# Altium PCB Daughterboard_Rev1_A.PcbDoc (part 1 of 3)
Units mil, origin at the board's own origin, x right, y up, seen from the top; angles counter-clockwise.
Board outline 2125 x 3350 mil, 8 copper layers (Top Layer, GND 1, Signal 1, GND 2, Signal 2, PWR, GND 3, Bottom Layer), stack 59.978 mil thick; 472 components, 211 nets, 1640 pads, 778 vias.
Unrouted connection lines stored in the file: 738.
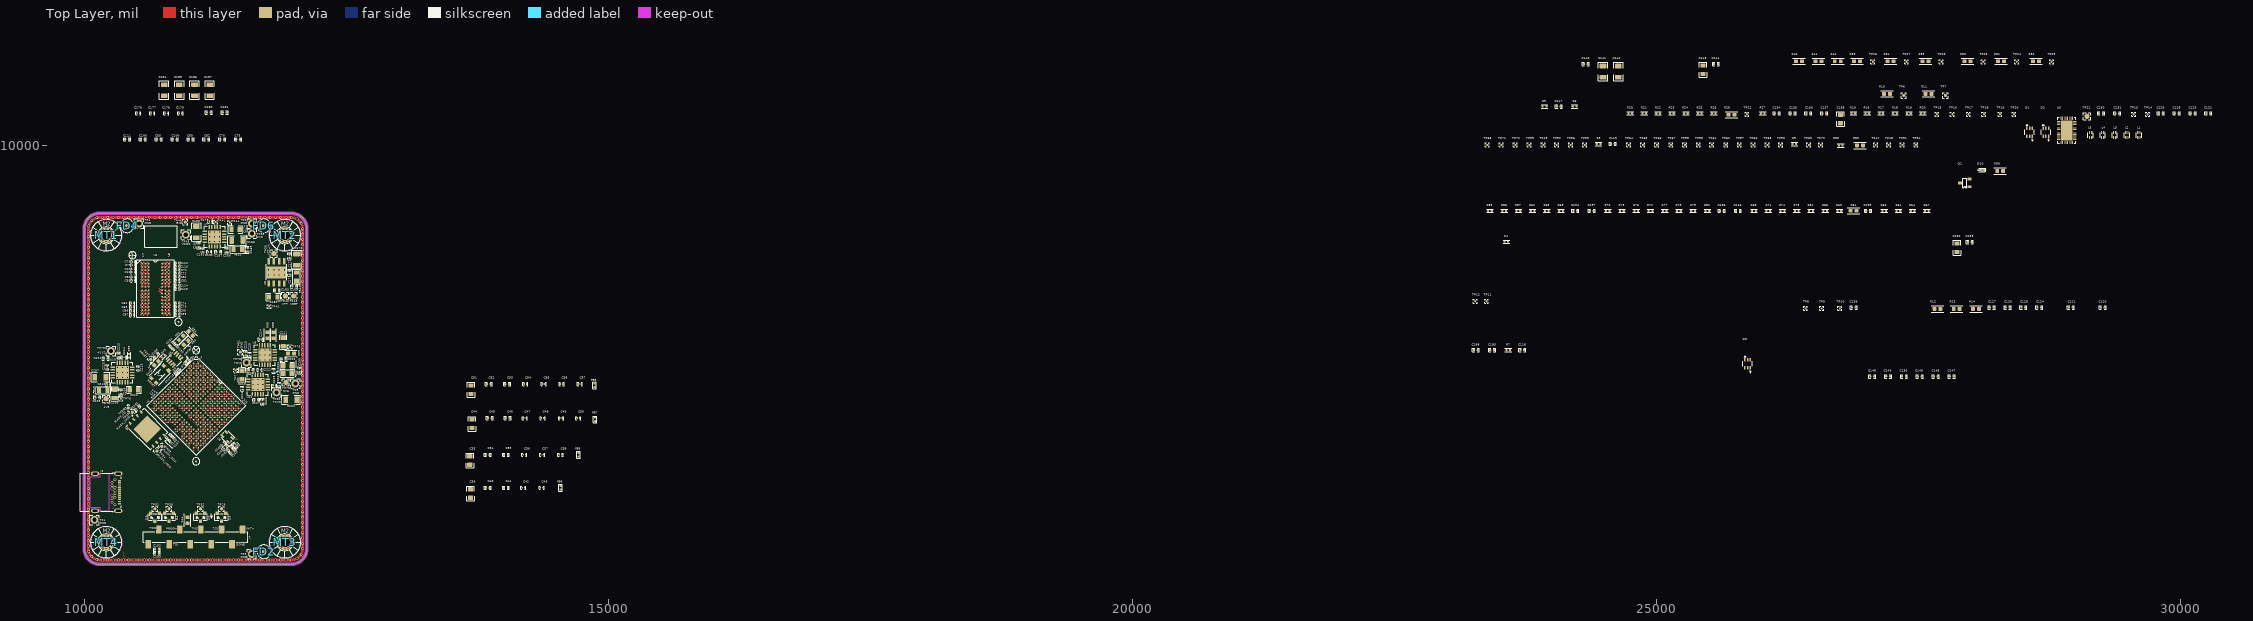
[diagram p0: Top Layer view]
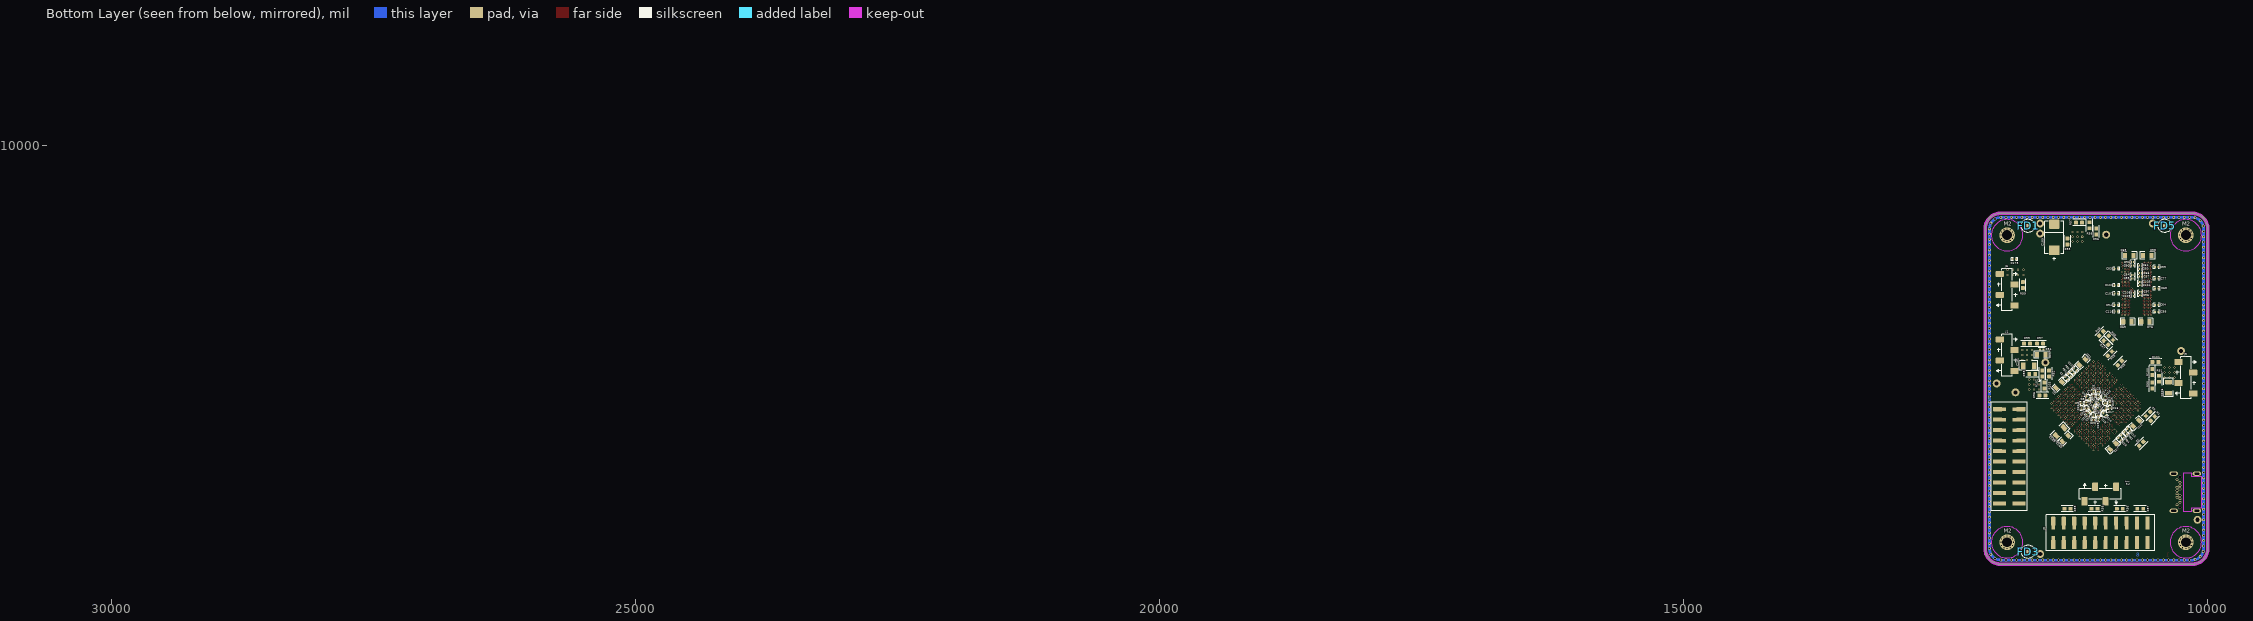
[diagram p1: Bottom Layer view, seen from below]
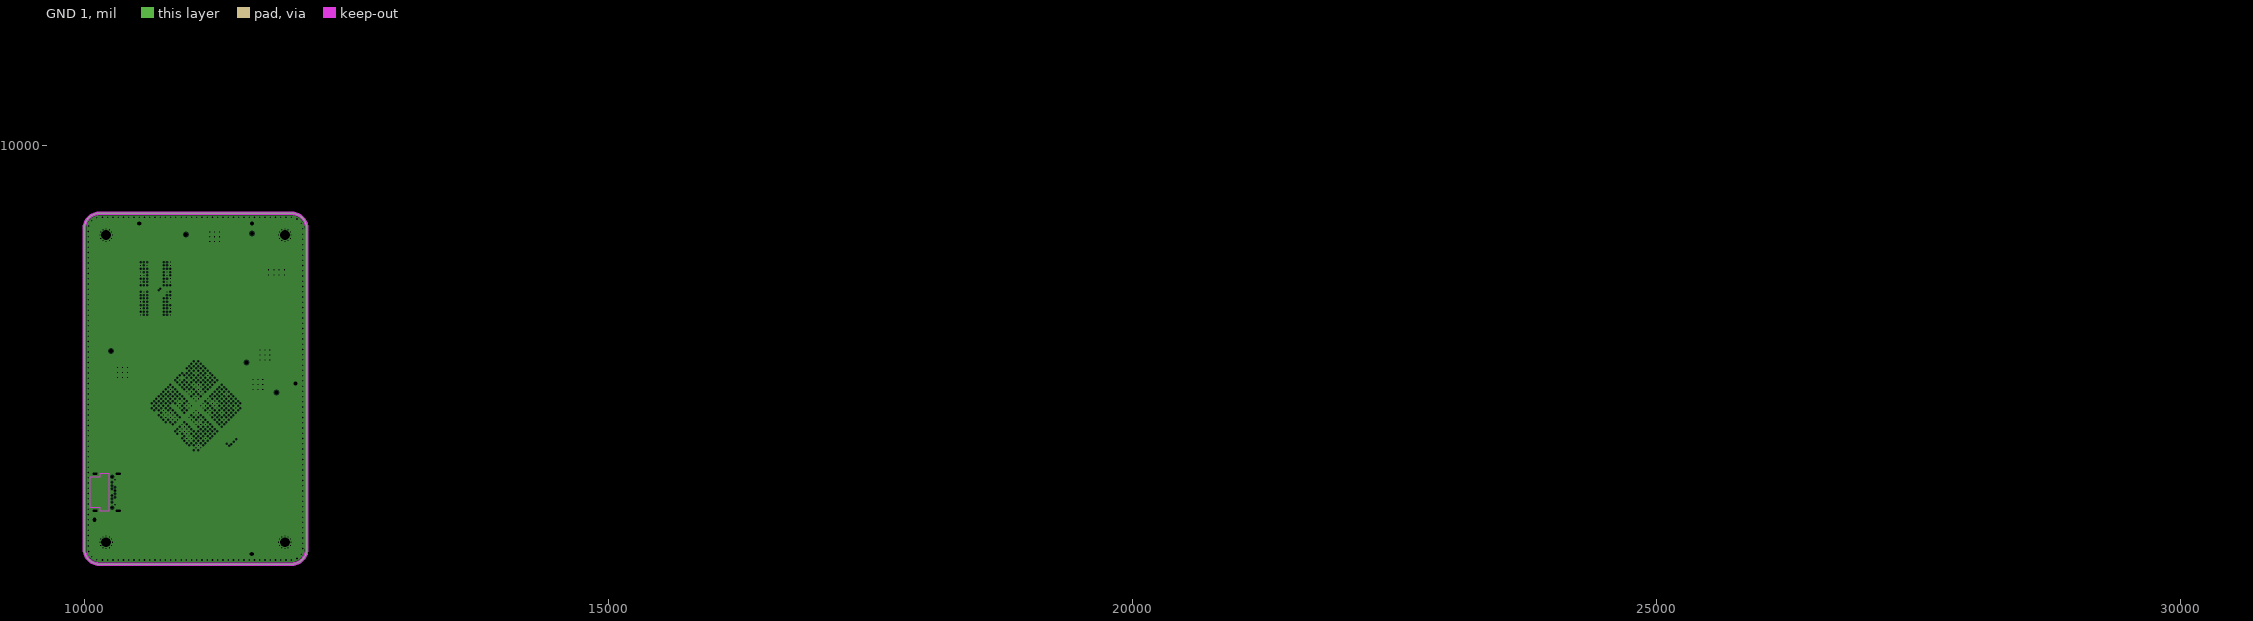
[diagram p2: GND 1, clearances drawn from the general rule]
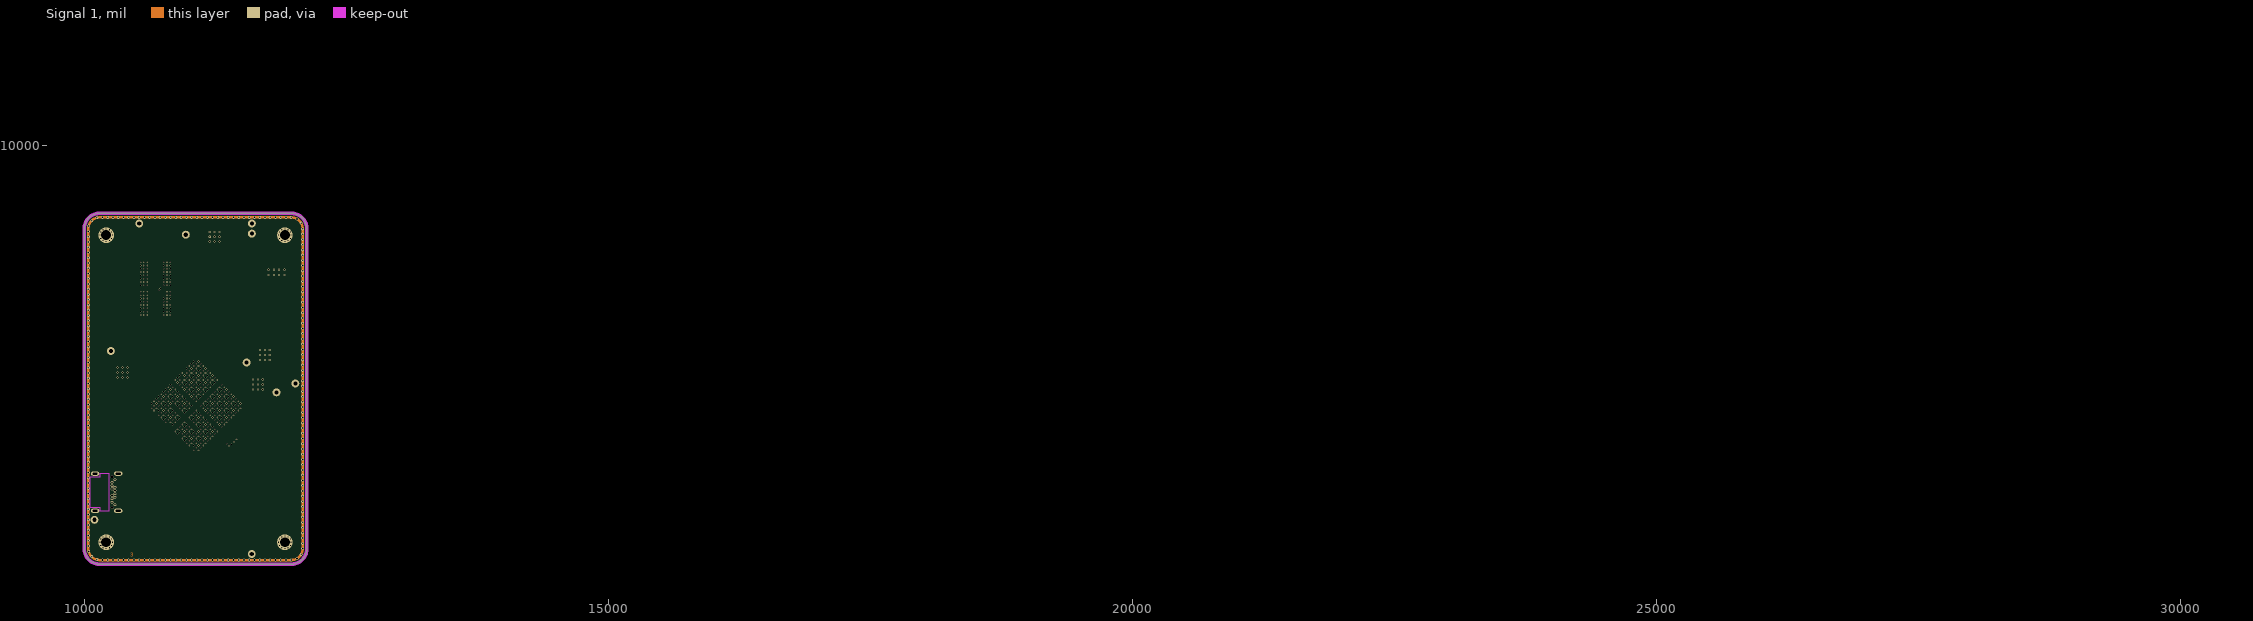
[diagram p3: Signal 1]
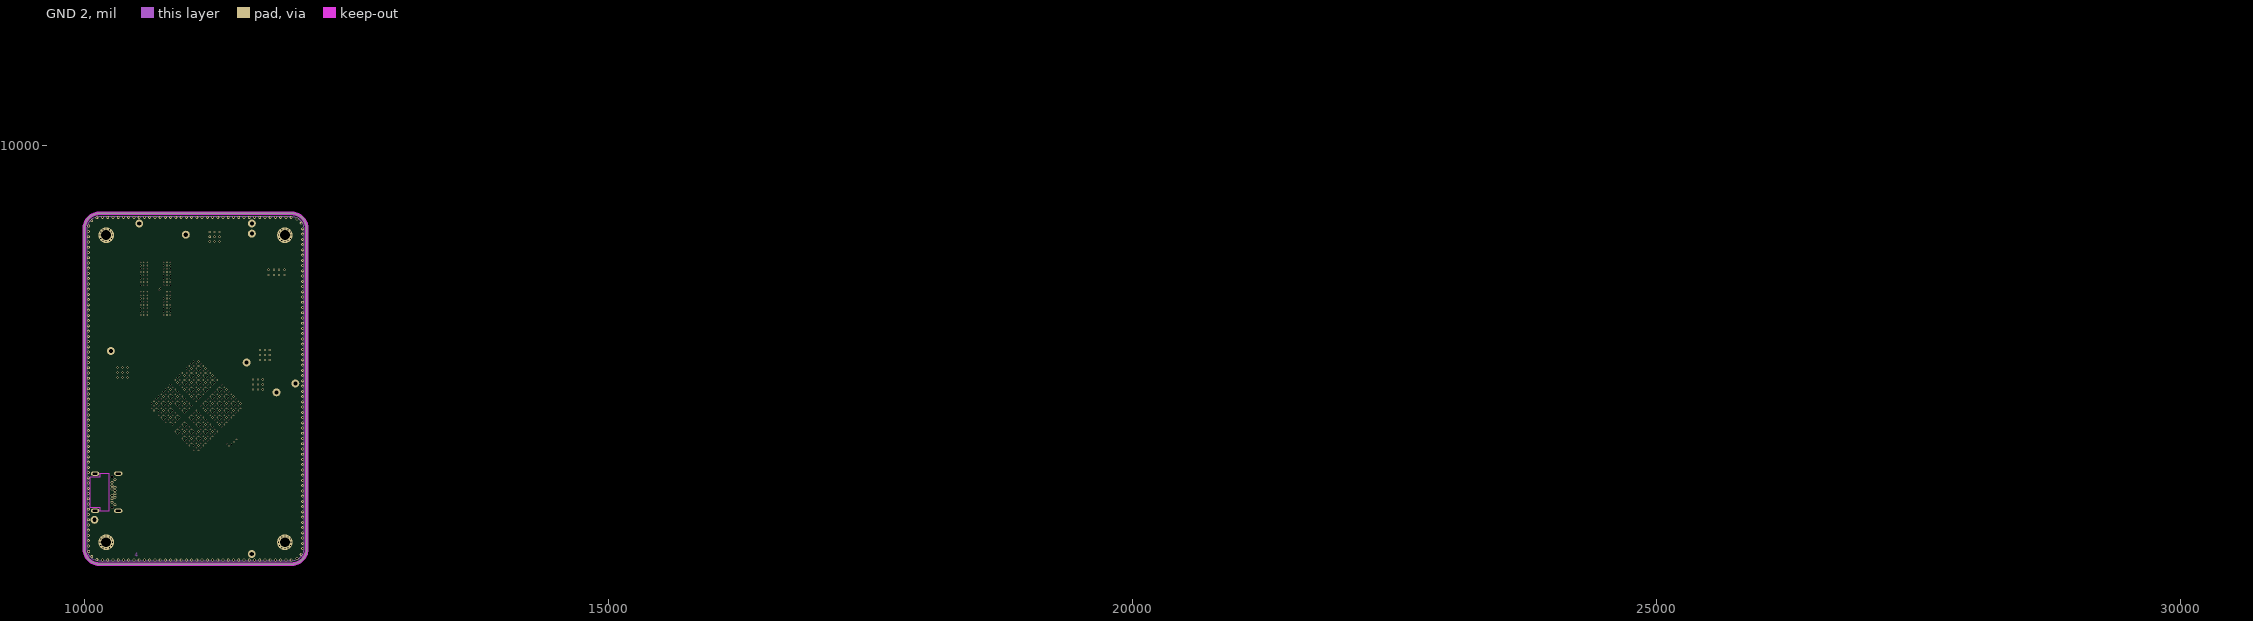
[diagram p4: GND 2]
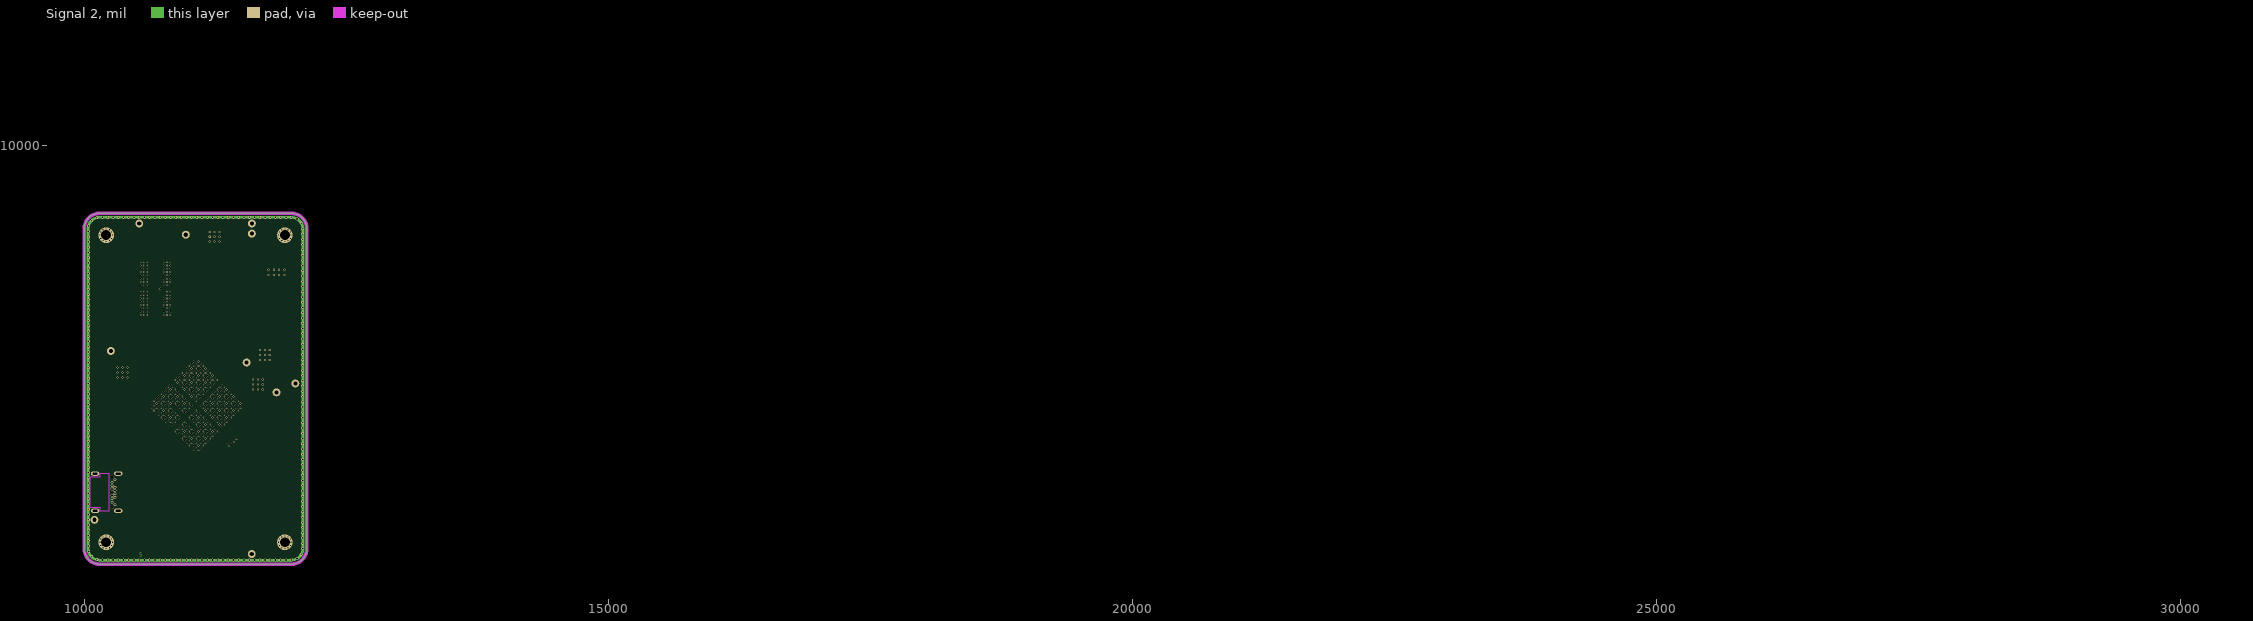
[diagram p5: Signal 2]
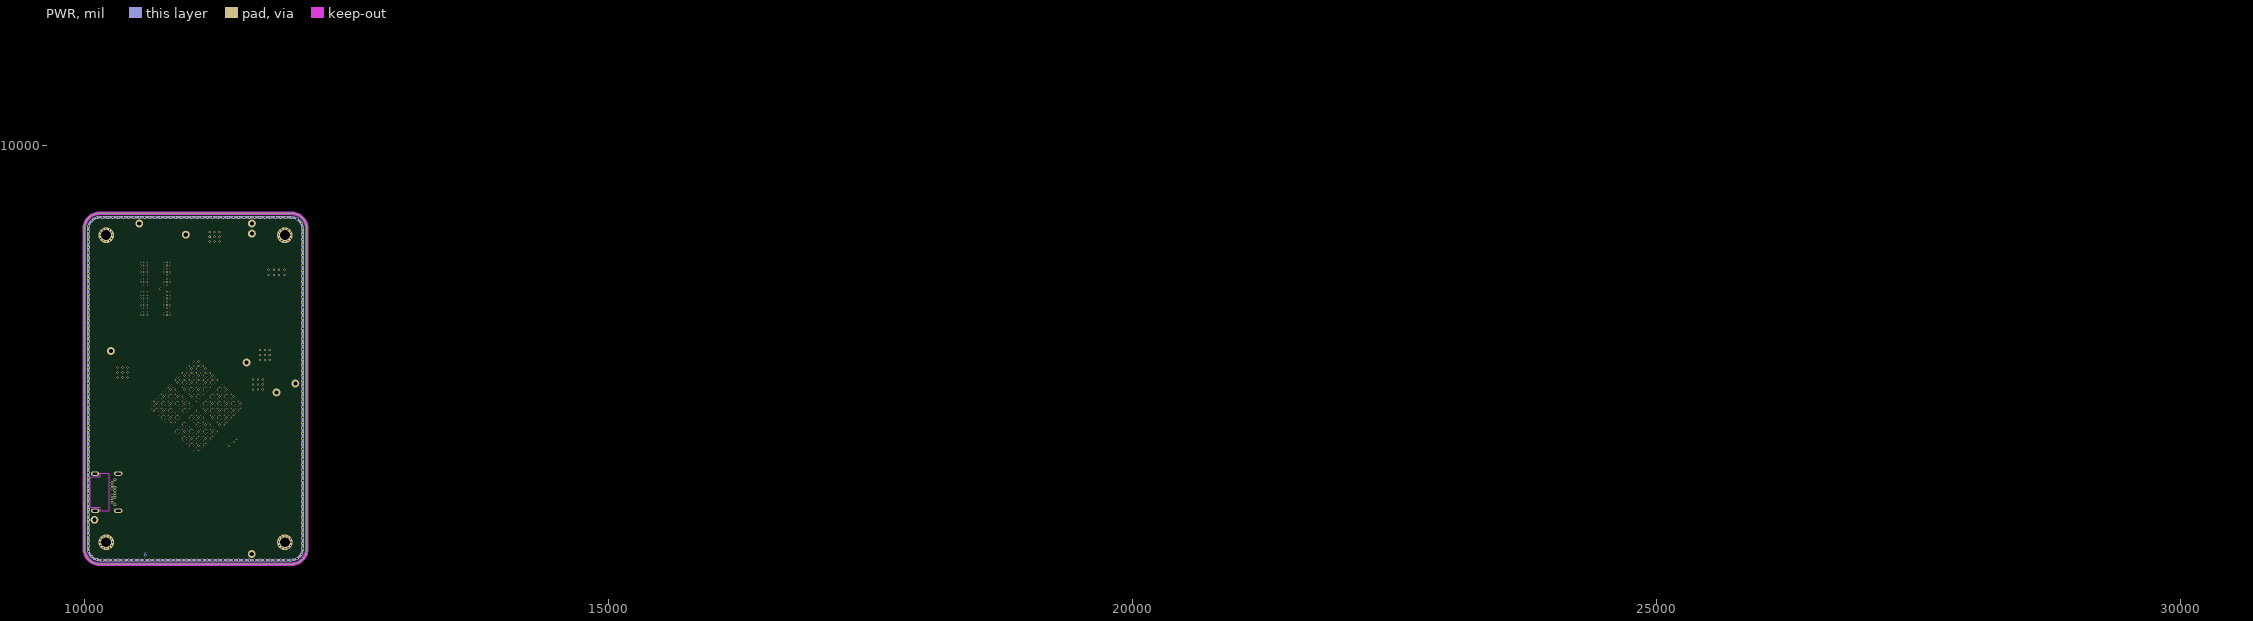
[diagram p6: PWR]
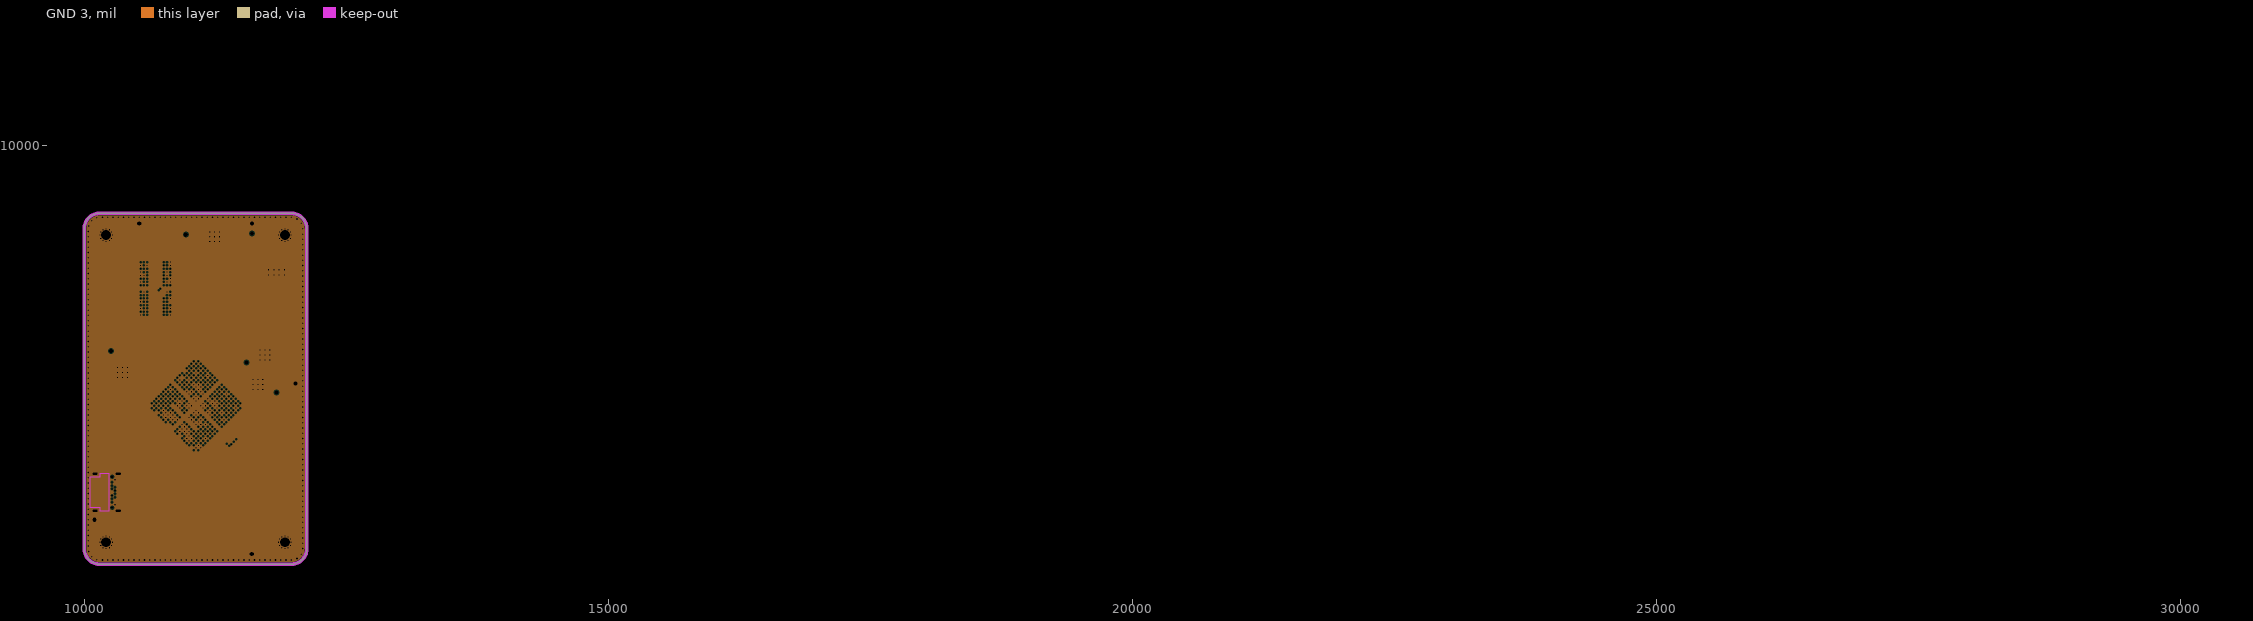
[diagram p7: GND 3, clearances drawn from the general rule]

## Layer stack, top to bottom
Top Solder: solder mask 0.4, Solder Resist, Dk 1
Top Layer: signal copper 0.689
Prepreg 1: prepreg 4, 2116, Dk 4.32
GND 1: plane copper 1.4, net GND
Core 1: core 9.4, FR4-TG150, Dk 4.5
Signal 1: signal copper 1.4
Dielectric 1: prepreg 7, 7628, Dk 4.42
GND 2: signal copper 1.4
Core 2: core 9.4, FR4-TG150, Dk 4.5
Signal 2: signal copper 1.4
Dielectric 2: prepreg 7, 7628, Dk 4.42
PWR: signal copper 1.4
Core 3: core 9.4, FR4-TG150, Dk 4.5
GND 3: plane copper 1.4, net GND
Prepreg 3: prepreg 4, 2116, Dk 4.32
Bottom Layer: signal copper 0.689
Bottom Solder: solder mask 0.4, Solder Resist, Dk 1

## Board outline
10000,6150 ccw(c10150,6150) 10150,6000 11975,6000 ccw(c11975,6150) 12125,6150 12125,9200 ccw(c11975,9200) 11975,9350 10150,9350 ccw(c10150,9200) 10000,9200 10000,9200.17

## Design rules (kind name [scope] priority, off if disabled: settings)
AcuteAngle [All] p1: minimum=4.50000000000000E+0001 checktracksonly=FALSE
BoardOutlineClearance [All] p1: gap=20 ignorepadtopadclearanceinfootprint=FALSE
Clearance CLEARANCE_EXTERNAL [OnTopLayer or OnBottomLayer] p1: gap=6 ignorepadtopadclearanceinfootprint=FALSE except(0: Arc-Text Arc-Hole Track-Text Track-Hole SMDPad-Text SMDPad-Hole THPad-Text THPad-Hole Via-Text Via-Hole Fill-Text Fill-Hole Poly-Text Poly-Hole Region-Text Region-Hole Text-Text Text-Hole; 5: Arc-Arc Arc-Track Arc-SMDPad Track-Track Track-SMDPad SMDPad-SMDPad; 8: Arc-THPad Track-THPad SMDPad-THPad; 10: THPad-THPad THPad-Via) // 1/2oz so smaller via-to-track and track-to-copper clearances allowed
Clearance CLEARANCE_INNER [All] p2: gap=8 ignorepadtopadclearanceinfootprint=FALSE except(0: Arc-Text Arc-Hole Track-Text Track-Hole SMDPad-Text SMDPad-Hole THPad-Text THPad-Hole Via-Text Via-Hole Fill-Text Fill-Hole Poly-Text Poly-Hole Region-Text Region-Hole Text-Text Text-Hole; 5: Arc-Arc Arc-Track Arc-SMDPad Track-Track Track-SMDPad SMDPad-SMDPad; 7: Arc-Via Track-Via SMDPad-Via Via-Via; 10: THPad-THPad THPad-Via)
ComponentClearance ComponentClearance_DESIGNATOR [OnLayer('Top Designator') or OnLayer('Bottom Designator')] p1: gap=0 collisioncheckmode=3 verticalgap=0 showdistances=FALSE
ComponentClearance ComponentClearance_FIDUCIALS [HasFootprint('FIDUCIAL')] p2: gap=0 collisioncheckmode=3 verticalgap=0 showdistances=FALSE
ComponentClearance ComponentClearance_TESTPOINT [HasFootprint('TP_HOLE') OR HasFootprint('TP_PAD') OR HasFootPrint('TP_PAD_SMALL') OR HasFootprint('TP_PAD_TINY')] p3: gap=1 collisioncheckmode=3 verticalgap=0 showdistances=FALSE donotcheckwithout3dbody=TRUE
ComponentClearance [All] p4: gap=10 collisioncheckmode=3 verticalgap=10 showdistances=FALSE
DiffPairsRouting DiffPairsRouting_DDR_CLK [InDifferentialPair('MEM0_CLK')] p1: maxlimit=12 minlimit=8 mostfreqgap=8 toplayer_minwidth=8 toplayer_maxwidth=10 toplayer_prefwidth=9 midlayer1_minwidth=8 midlayer1_maxwidth=10 midlayer1_prefwidth=9 midlayer2_minwidth=8 midlayer2_maxwidth=10 midlayer2_prefwidth=9 midlayer3_minwidth=8 midlayer3_maxwidth=10 midlayer3_prefwidth=9 midlayer4_minwidth=8 midlayer4_maxwidth=10 midlayer4_prefwidth=9 bottomlayer_minwidth=8 bottomlayer_maxwidth=10 bottomlayer_prefwidth=9 maxuncoupledlength=15
DiffPairsRouting [All] p2: maxlimit=10 minlimit=10 mostfreqgap=10 toplayer_minwidth=15 toplayer_maxwidth=15 toplayer_prefwidth=15 midlayer1_minwidth=15 midlayer1_maxwidth=15 midlayer1_prefwidth=15 midlayer2_minwidth=15 midlayer2_maxwidth=15 midlayer2_prefwidth=15 midlayer3_minwidth=15 midlayer3_maxwidth=15 midlayer3_prefwidth=15 midlayer4_minwidth=15 midlayer4_maxwidth=15 midlayer4_prefwidth=15 bottomlayer_minwidth=15 bottomlayer_maxwidth=15 bottomlayer_prefwidth=15 maxuncoupledlength=500
FabricationTestPointUsage TestPointUsage [All] p1: valid=0 allowmultiple=FALSE
FabricationTestpoint Testpoint [All] p1: side=3 testpointundercomponent=TRUE minsize=40 maxsize=100 preferedsize=60 minholesize=0 maxholesize=40 preferedholesize=32 testpointgrid=1 allowsidetop=TRUE allowsidebottom=TRUE usegrid=TRUE gridtolerance=0.01
HoleSize [All] p1: absolutevalues=TRUE maxlimit=100 minlimit=8 maxpercent=80.000 minpercent=20.000
HoleToHoleClearance [All] p1: gap=10 allowstackedmicrovias=FALSE
MinimumAnnularRing [All] p1: minimumring=4
MinimumSolderMaskSliver [All] p1: minsoldermaskwidth=8
NetAntennae [All] p1: netantennaetolerance=1
PasteMaskExpansion [All] p1: expansion=-1
PermittedLayers [All] p1: toplayerpermitted=TRUE bottomlayerpermitted=TRUE
PlaneClearance [All] p1: clearance=8
PlaneConnect [All] p1: planeconnectstyle=Direct reliefexpansion=20 reliefentries=4 reliefconductorwidth=10 reliefairgap=10
PolygonConnect [All] p1: thpad.connectstyle=Relief thpad.reliefconductorwidth=20 thpad.reliefentries=4 thpad.polygonreliefangle="90 Angle" thpad.airgapwidth=8 smdpad.connectstyle=Relief smdpad.reliefconductorwidth=20 smdpad.reliefentries=4 smdpad.polygonreliefangle="90 Angle" smdpad.airgapwidth=8 via.connectstyle=Relief via.reliefconductorwidth=8 via.reliefentries=4 via.polygonreliefangle="45 Angle" via.airgapwidth=8
ReturnPath [All] p1: impedanceprofileid={22DA1543-672B-41A9-8F25-E75B8C9470C8} _gaplimit=20
RoutingCorners [All] p1: cornerstyle=45-Degree minsetback=30 maxsetback=30
RoutingVias [All] p1: holewidth=10 width=20 viastyle="Through Hole" minholewidth=8 minwidth=18 maxholewidth=100 maxwidth=100
SMDEntry [All] p1: side=TRUE corner=TRUE anyangle=TRUE
SilkToSolderMaskClearance SilkscreenOverComponentPads [IsPad] p1: minsilkscreentomaskgap=1 clearancetoexposedcopper=TRUE
SolderMaskExpansion [All] p1: expansion=4 istentingtop=FALSE
SupplyNets Supply_GND [InNet('GND')] p1: voltage=0,000
SupplyNets Supply_Ref_DDR [InNet('+VREF_DDR_1') OR InNet('+VREF_DDR_2')] p2: voltage=750,0
SupplyNets Supply_1V35 [InNet('+1V35')] p3: voltage=1,000
UnRoutedNet [All] p1: checkbadconnections=TRUE
ViasUnderSMD [All] p1: allowed=FALSE
Width [All] p1: maxlimit=999 minlimit=5 preferedwidth=8
16 further rules are at their usual default settings.

## Classes and differential pairs
component class "FPGA POWER": C1 C2 C3 C4 C5 C6 C7 C8 C9 C10 C11 C12 C13 C14 C15 C16 C17 C18 C19 C20 C21 C22 C23 C24 C25 C26 C27 C28 C29 C30 C31 C32 C33 C34 C35 C36 C37 C38 C39 C40 C41 C42 C43 C44 C45 C46 C47 C48 C49 C50 C51 C52 C53 C54 C55 C56 C57 FB1 FB2 FB3 FB4 FB5 FB6 FB7 FB8
component class "FPGA POWER REGULATOR": C199 C200 C201 C202 C203 C204 C205 C206 C207 C208 C209 C210 C211 C212 C213 C214 C215 C216 C217 C218 C219 C220 C221 C222 C223 C224 C225 C226 C227 C228 C229 FB12 FB13 R88 R89 R90 R91 R92 R93 R94 R95 R96 R97 R98 R99 R100 R101 R102 R103 TP73 TP74 TP75 TP76 TP77 TP78 TP79 TP80 TP81 U9 U10 U11
net class D[0..15]: D0 D1 D2 D3 D4 D5 D6 D7 D8 D9 D10 D11 D12 D13 D14 D15
component class "MEM 0": C116 C117 C118 C119 R5 R6 R7 R8 R9 U2
net class A[0..14]: A0 A1 A2 A3 A4 A5 A6 A7 A8 A9 A10 A11 A12 A13 A14
net class CONTROL: \C\A\S\ \C\S\ \R\A\S\ \R\E\S\E\T\ \W\E\ BA0 BA1 BA2 CKE LDM ODT UDM
net class SATA: SATA1_RX_N SATA1_RX_P SATA1_TX_N SATA1_TX_P SATA2_RX_N SATA2_RX_P SATA2_TX_N SATA2_TX_P
net class JTAG: DONE INITn PROGRAMn TCK TDI TDO TMS
net class ADC: ADC0 ADC1 ADC2 ADC3 ADC4 ADC5 ADC6 ADC7 ADC8 ADC9 ADC10 ADC11 ADC12 ADC13 ADC14 ADC15
net class ADC[0..15]: ADC0 ADC1 ADC2 ADC3 ADC4 ADC5 ADC6 ADC7 ADC8 ADC9 ADC10 ADC11 ADC12 ADC13 ADC14 ADC15
component class "DDR3 POWER REGULATOR": C165 C166 C167 C168 C169 C170 C171 C172 C173 C174 C175 C176 C177 C178 C179 C180 C181 C182 C183 C184 C185 C186 C187 C188 C189 C190 C191 C192 FB10 FB11 R55 R56 R57 R58 R59 TP38 TP39 TP40 TP41 TP42 TP43 TP44 TP45 TP46 TP1001 U7 U8
net class USB: USB1_CC1 USB1_CC2 USB1_DIN_N USB1_DIN_P USB1_IN_DIN_N USB1_IN_DIN_P USB1_IN_RX1_N USB1_IN_RX1_P USB1_IN_RX2_N USB1_IN_RX2_P USB1_IN_TX1_N USB1_IN_TX1_P USB1_IN_TX2_N USB1_IN_TX2_P USB1_RX1_N USB1_RX1_P USB1_RX2_N USB1_RX2_P USB1_RX_N USB1_RX_P USB1_SBU1 USB1_SBU2 USB1_TX1_N USB1_TX1_P USB1_TX2_N USB1_TX2_P USB1_TX_N USB1_TX_P
net class USB_SS: USB1_IN_RX1_N USB1_IN_RX1_P USB1_IN_RX2_N USB1_IN_RX2_P USB1_IN_TX1_N USB1_IN_TX1_P USB1_IN_TX2_N USB1_IN_TX2_P USB1_RX1_N USB1_RX1_P USB1_RX2_N USB1_RX2_P USB1_TX1_N USB1_TX1_P USB1_TX2_N USB1_TX2_P
component class "JTAG & FLASH": C145 C146 C147 C148 C149 C150 C151 C152 C153 C154 C155 C156 C157 C158 C159 C160 C161 C162 C164 D3 D4 D5 D6 D7 D8 D9 D10 FB9 Q1 R30 R31 R32 R33 R34 R35 R36 R37 R38 R39 R40 R41 R42 R43 R44 R45 R46 R47 R48 R49 R50 R51 R52 R53 R54 SW1 TP23 TP24 TP25 TP26 TP27 TP28 TP29 TP30 TP31 TP32 TP33 TP34 TP35 TP36 TP37 U4 U5 U6
net class DATA0: D0 D1 D2 D3 D4 D5 D6 D7
net class DATA: D0 D1 D2 D3 D4 D5 D6 D7 D8 D9 D10 D11 D12 D13 D14 D15
net class DATA1: D8 D9 D10 D11 D12 D13 D14 D15
net class CLK: CLK_N CLK_P D0S_N D0S_P D1S_N D1S_P
net class ADDRESS: A0 A1 A2 A3 A4 A5 A6 A7 A8 A9 A10 A11 A12 A13 A14
net class ACC: \C\A\S\ \C\S\ \R\A\S\ \R\E\S\E\T\ \W\E\ A0 A1 A2 A3 A4 A5 A6 A7 A8 A9 A10 A11 A12 A13 A14 BA0 BA1 BA2 CKE CLK_N CLK_P D0S_N D0S_P D1S_N D1S_P LDM ODT UDM
component class USB0: C120 C121 C122 C123 C124 C125 C126 C127 C128 C129 C130 C131 C132 C133 C134 C135 C136 C137 C138 C139 C140 C141 C142 C143 C144 D1 D2 J8 L1 L2 L3 L4 L5 R10 R11 R12 R13 R14 R15 R16 R17 R18 R19 R20 R21 R22 R23 R24 R25 R26 R27 R28 R29 TP6 TP7 TP8 TP9 TP10 TP11 TP12 TP13 TP14 TP15 TP16 TP17 TP18 TP19 TP20 TP21 TP22 U3
component class CONNECTORS: FD1 FD2 FD3 FD4 FD5 FD6 J1 J2 J3 J4 J5 J6 J7 MT1 MT2 MT3 MT4 TP1 TP2 TP3 TP4 TP5
component class FPGA: R1 R2 R3 U1
component class "DDR3 TERMINATION": C193 C194 C195 C196 C197 C198 R60 R61 R62 R63 R64 R65 R66 R67 R68 R69 R70 R71 R72 R73 R74 R75 R76 R77 R78 R79 R80 R81 R82 R83 R84 R85 R86 R87 TP47 TP48 TP49 TP50 TP51 TP52 TP53 TP54 TP55 TP56 TP57 TP58 TP59 TP60 TP61 TP62 TP63 TP64 TP65 TP66 TP67 TP68 TP69 TP70 TP71 TP72
component class "MEM POWER 0": C58 C59 C60 C61 C62 C63 C64 C65 C66 C67 C68 C69 C70 C71 C72 C73 C74 C75 C76 C77 C78 C79 C80 C81 C82 C83 C84 C85 C86 C87 C88 C89 C90 C91 C92 C93 C94 C95 C96 C97 C98 C99 C100 C101 C102 C103 C104 C105 C106 C107 C108 C109 C110 C111 C112 C113 C114 C115 R4
differential pair D1S: +D1S_P -D1S_N
differential pair D0S: +D0S_P -D0S_N
differential pair SATA2_TX: +SATA2_TX_P -SATA2_TX_N
differential pair SATA2_RX: +SATA2_RX_P -SATA2_RX_N
differential pair SATA1_TX: +SATA1_TX_P -SATA1_TX_N
differential pair SATA1_RX: +SATA1_RX_P -SATA1_RX_N
differential pair USB1_IN_TX2: +USB1_IN_TX2_P -USB1_IN_TX2_N
differential pair USB1_IN_TX1: +USB1_IN_TX1_P -USB1_IN_TX1_N
differential pair USB1_IN_RX2: +USB1_IN_RX2_P -USB1_IN_RX2_N
differential pair USB1_IN_RX1: +USB1_IN_RX1_P -USB1_IN_RX1_N
differential pair USB1_IN_DIN: +USB1_IN_DIN_P -USB1_IN_DIN_N
differential pair USB1_TX: +USB1_TX_P -USB1_TX_N
differential pair USB1_RX: +USB1_RX_P -USB1_RX_N
differential pair USB1_TX2: +USB1_TX2_P -USB1_TX2_N
differential pair USB1_TX1: +USB1_TX1_P -USB1_TX1_N
differential pair USB1_RX2: +USB1_RX2_P -USB1_RX2_N
differential pair USB1_RX1: +USB1_RX1_P -USB1_RX1_N
differential pair USB1_DIN: +USB1_DIN_P -USB1_DIN_N
differential pair CLK: +CLK_P -CLK_N
